# Altium PCB PCB22.PcbDoc (part 2 of 16) (continued)
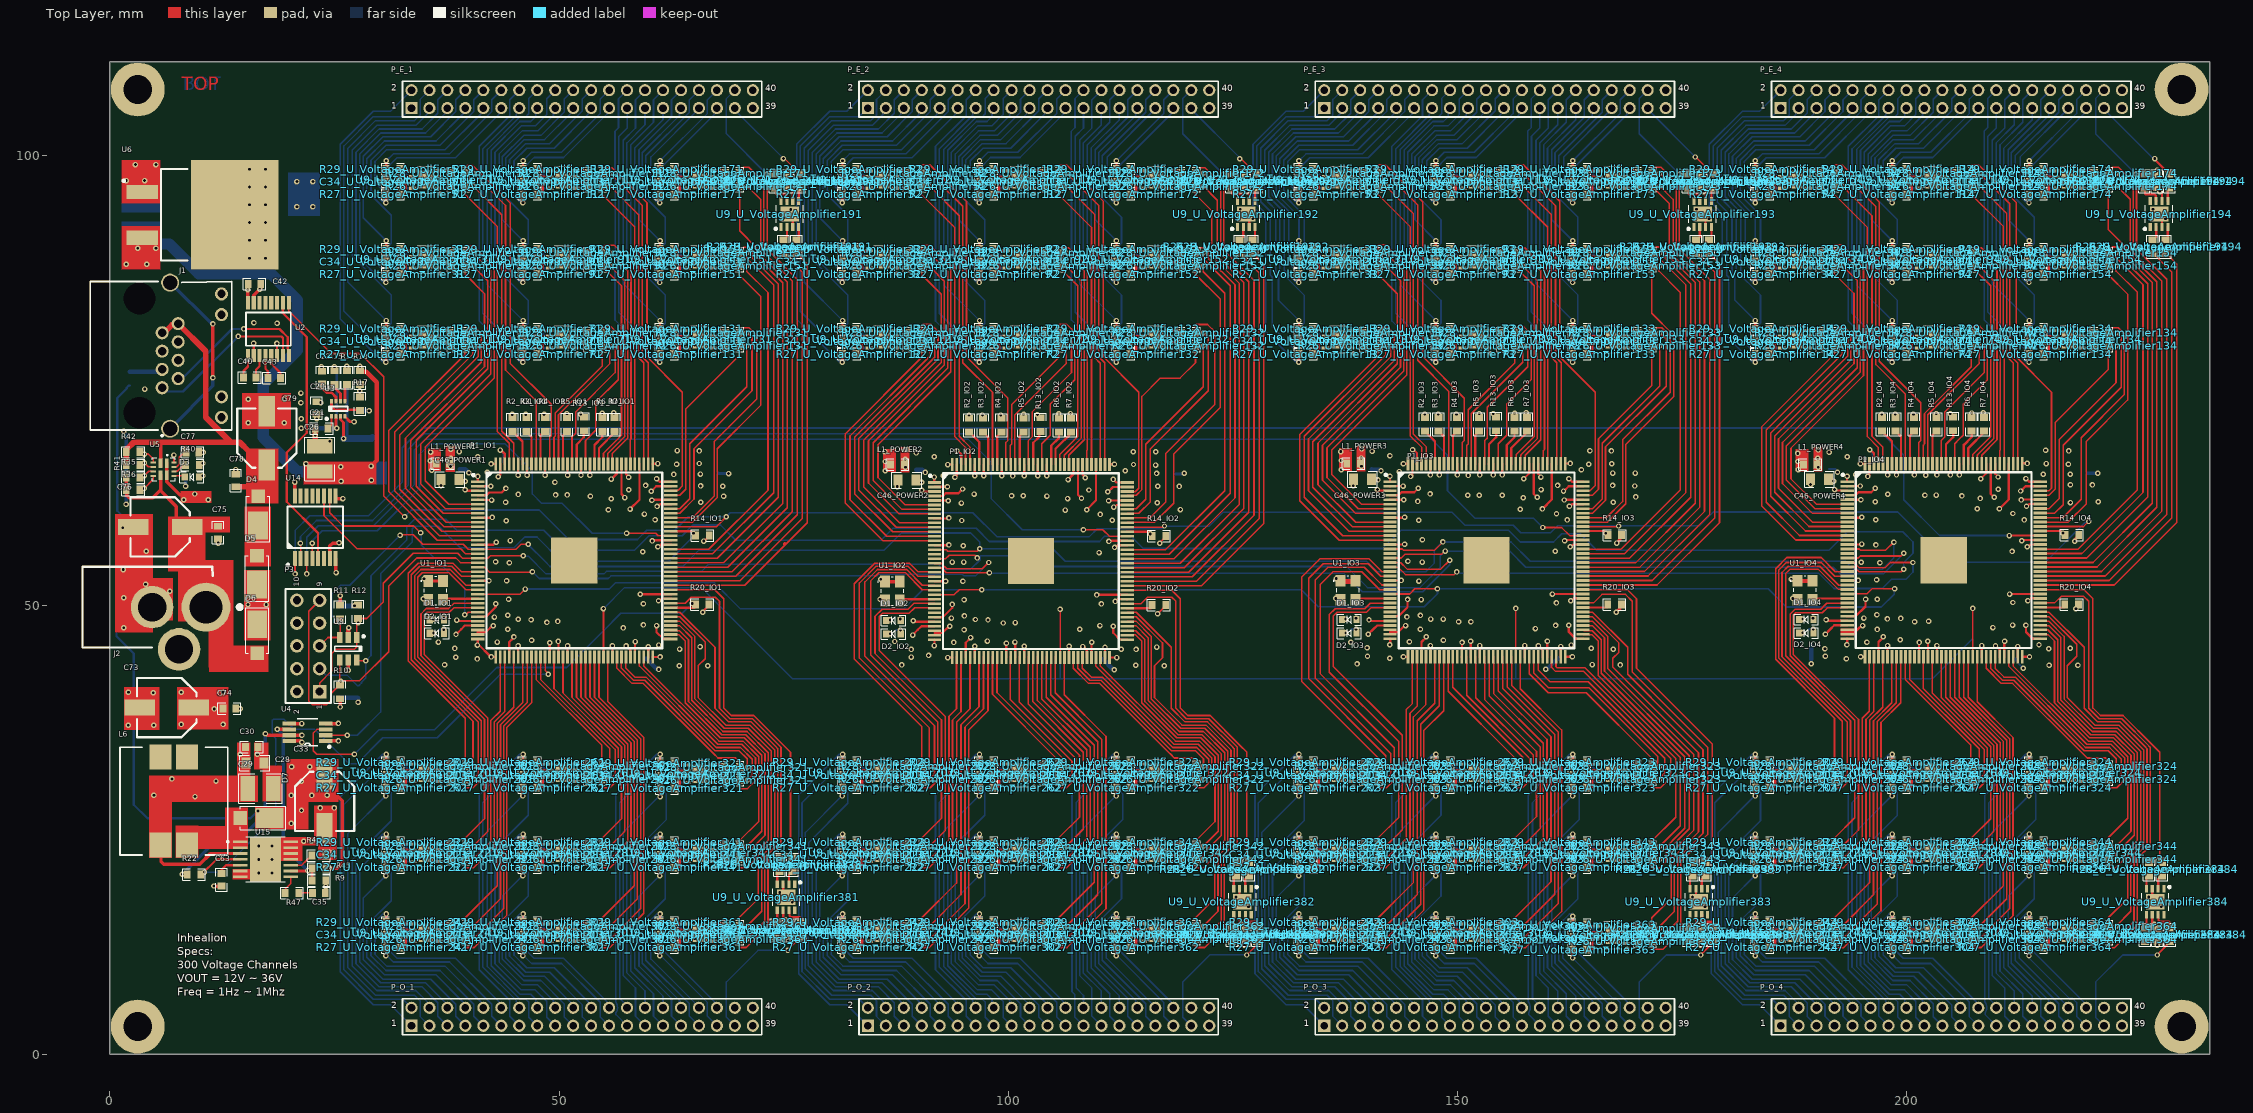
[diagram p0: Top Layer view]
## Classes and differential pairs (continued)
channel class VoltageAmplifier: U_VoltageAmplifier11 U_VoltageAmplifier12 U_VoltageAmplifier13 U_VoltageAmplifier14 U_VoltageAmplifier21 U_VoltageAmplifier22 U_VoltageAmplifier23 U_VoltageAmplifier24 U_VoltageAmplifier31 U_VoltageAmplifier32 U_VoltageAmplifier33 U_VoltageAmplifier34 U_VoltageAmplifier41 U_VoltageAmplifier42 U_VoltageAmplifier43 U_VoltageAmplifier44 U_VoltageAmplifier51 U_VoltageAmplifier52 U_VoltageAmplifier53 U_VoltageAmplifier54 U_VoltageAmplifier61 U_VoltageAmplifier62 U_VoltageAmplifier63 U_VoltageAmplifier64 U_VoltageAmplifier71 U_VoltageAmplifier72 U_VoltageAmplifier73 U_VoltageAmplifier74 U_VoltageAmplifier81 U_VoltageAmplifier82 U_VoltageAmplifier83 U_VoltageAmplifier84 U_VoltageAmplifier91 U_VoltageAmplifier92 U_VoltageAmplifier93 U_VoltageAmplifier94 U_VoltageAmplifier101 U_VoltageAmplifier102 U_VoltageAmplifier103 U_VoltageAmplifier104 U_VoltageAmplifier111 U_VoltageAmplifier112 U_VoltageAmplifier113 U_VoltageAmplifier114 U_VoltageAmplifier121 U_VoltageAmplifier122 U_VoltageAmplifier123 U_VoltageAmplifier124 U_VoltageAmplifier131 U_VoltageAmplifier132 U_VoltageAmplifier133 U_VoltageAmplifier134 U_VoltageAmplifier141 U_VoltageAmplifier142 U_VoltageAmplifier143 U_VoltageAmplifier144 U_VoltageAmplifier151 U_VoltageAmplifier152 U_VoltageAmplifier153 U_VoltageAmplifier154 U_VoltageAmplifier161 U_VoltageAmplifier162 U_VoltageAmplifier163 U_VoltageAmplifier164 U_VoltageAmplifier171 U_VoltageAmplifier172 U_VoltageAmplifier173 U_VoltageAmplifier174 U_VoltageAmplifier181 U_VoltageAmplifier182 U_VoltageAmplifier183 U_VoltageAmplifier184 U_VoltageAmplifier191 U_VoltageAmplifier192 U_VoltageAmplifier193 U_VoltageAmplifier194 U_VoltageAmplifier201 U_VoltageAmplifier202 U_VoltageAmplifier203 U_VoltageAmplifier204 U_VoltageAmplifier211 U_VoltageAmplifier212 U_VoltageAmplifier213 U_VoltageAmplifier214 U_VoltageAmplifier221 U_VoltageAmplifier222 U_VoltageAmplifier223 U_VoltageAmplifier224 U_VoltageAmplifier231 U_VoltageAmplifier232 U_VoltageAmplifier233 U_VoltageAmplifier234 U_VoltageAmplifier241 U_VoltageAmplifier242 U_VoltageAmplifier243 U_VoltageAmplifier244 U_VoltageAmplifier251 U_VoltageAmplifier252 U_VoltageAmplifier253 U_VoltageAmplifier254 U_VoltageAmplifier261 U_VoltageAmplifier262 U_VoltageAmplifier263 U_VoltageAmplifier264 U_VoltageAmplifier271 U_VoltageAmplifier272 U_VoltageAmplifier273 U_VoltageAmplifier274 U_VoltageAmplifier281 U_VoltageAmplifier282 U_VoltageAmplifier283 U_VoltageAmplifier284 U_VoltageAmplifier291 U_VoltageAmplifier292 U_VoltageAmplifier293 U_VoltageAmplifier294 U_VoltageAmplifier301 U_VoltageAmplifier302 U_VoltageAmplifier303 U_VoltageAmplifier304 U_VoltageAmplifier311 U_VoltageAmplifier312 U_VoltageAmplifier313 U_VoltageAmplifier314 U_VoltageAmplifier321 U_VoltageAmplifier322 U_VoltageAmplifier323 U_VoltageAmplifier324 U_VoltageAmplifier331 U_VoltageAmplifier332 U_VoltageAmplifier333 U_VoltageAmplifier334 U_VoltageAmplifier341 U_VoltageAmplifier342 U_VoltageAmplifier343 U_VoltageAmplifier344 U_VoltageAmplifier351 U_VoltageAmplifier352 U_VoltageAmplifier353 U_VoltageAmplifier354 U_VoltageAmplifier361 U_VoltageAmplifier362 U_VoltageAmplifier363 U_VoltageAmplifier364 U_VoltageAmplifier371 U_VoltageAmplifier372 U_VoltageAmplifier373 U_VoltageAmplifier374 U_VoltageAmplifier381 U_VoltageAmplifier382 U_VoltageAmplifier383 U_VoltageAmplifier384
channel class FPGA_POWER: POWER1 POWER2 POWER3 POWER4
channel class FPGA_IO: IO1 IO2 IO3 IO4
component class U_VoltageHeaders: P_E_1 P_E_2 P_E_3 P_E_4 P_O_1 P_O_2 P_O_3 P_O_4
component class U_POWER_VOLTAGE: C8 C14 C18 C19 C20 C21 C22 C25 C26 C27 C28 C29 C30 C31 C32 C33 C35 C63 D7 L4 L6 R9 R15 R16 R17 R18 R19 R22 R45 R46 R47 R48 R49 U3 U4 U6 U15
component class TOP_VOLTAGE: C36 C37 C38 C39 C40 C41 C42 C43 C44 J1 P3 R10 R11 R12 R23 R24 R25 R30 R31 R32 R33 R34 U2 U8 U14
component class POWER4: C2_POWER4 C3_POWER4 C4_POWER4 C5_POWER4 C6_POWER4 C7_POWER4 C9_POWER4 C10_POWER4 C11_POWER4 C12_POWER4 C13_POWER4 C15_POWER4 C16_POWER4 C17_POWER4 C23_POWER4 C24_POWER4 C45_POWER4 C46_POWER4 C47_POWER4 C48_POWER4 C49_POWER4 C51_POWER4 C52_POWER4 C53_POWER4 C54_POWER4 C55_POWER4 C56_POWER4 C57_POWER4 C58_POWER4 C59_POWER4 C60_POWER4 C61_POWER4 C62_POWER4 C64_POWER4 C65_POWER4 C66_POWER4 C67_POWER4 C68_POWER4 C69_POWER4 C70_POWER4 C71_POWER4 C72_POWER4 L1_POWER4 L3_POWER4
component class POWER3: C2_POWER3 C3_POWER3 C4_POWER3 C5_POWER3 C6_POWER3 C7_POWER3 C9_POWER3 C10_POWER3 C11_POWER3 C12_POWER3 C13_POWER3 C15_POWER3 C16_POWER3 C17_POWER3 C23_POWER3 C24_POWER3 C45_POWER3 C46_POWER3 C47_POWER3 C48_POWER3 C49_POWER3 C51_POWER3 C52_POWER3 C53_POWER3 C54_POWER3 C55_POWER3 C56_POWER3 C57_POWER3 C58_POWER3 C59_POWER3 C60_POWER3 C61_POWER3 C62_POWER3 C64_POWER3 C65_POWER3 C66_POWER3 C67_POWER3 C68_POWER3 C69_POWER3 C70_POWER3 C71_POWER3 C72_POWER3 L1_POWER3 L3_POWER3
component class POWER2: C2_POWER2 C3_POWER2 C4_POWER2 C5_POWER2 C6_POWER2 C7_POWER2 C9_POWER2 C10_POWER2 C11_POWER2 C12_POWER2 C13_POWER2 C15_POWER2 C16_POWER2 C17_POWER2 C23_POWER2 C24_POWER2 C45_POWER2 C46_POWER2 C47_POWER2 C48_POWER2 C49_POWER2 C51_POWER2 C52_POWER2 C53_POWER2 C54_POWER2 C55_POWER2 C56_POWER2 C57_POWER2 C58_POWER2 C59_POWER2 C60_POWER2 C61_POWER2 C62_POWER2 C64_POWER2 C65_POWER2 C66_POWER2 C67_POWER2 C68_POWER2 C69_POWER2 C70_POWER2 C71_POWER2 C72_POWER2 L1_POWER2 L3_POWER2
component class POWER1: C2_POWER1 C3_POWER1 C4_POWER1 C5_POWER1 C6_POWER1 C7_POWER1 C9_POWER1 C10_POWER1 C11_POWER1 C12_POWER1 C13_POWER1 C15_POWER1 C16_POWER1 C17_POWER1 C23_POWER1 C24_POWER1 C45_POWER1 C46_POWER1 C47_POWER1 C48_POWER1 C49_POWER1 C51_POWER1 C52_POWER1 C53_POWER1 C54_POWER1 C55_POWER1 C56_POWER1 C57_POWER1 C58_POWER1 C59_POWER1 C60_POWER1 C61_POWER1 C62_POWER1 C64_POWER1 C65_POWER1 C66_POWER1 C67_POWER1 C68_POWER1 C69_POWER1 C70_POWER1 C71_POWER1 C72_POWER1 L1_POWER1 L3_POWER1
component class IO4: C1_IO4 D1_IO4 D2_IO4 P1_IO4 R1_IO4 R2_IO4 R3_IO4 R4_IO4 R5_IO4 R6_IO4 R7_IO4 R8_IO4 R13_IO4 R14_IO4 R20_IO4 R21_IO4 U1_IO4
component class IO3: C1_IO3 D1_IO3 D2_IO3 P1_IO3 R1_IO3 R2_IO3 R3_IO3 R4_IO3 R5_IO3 R6_IO3 R7_IO3 R8_IO3 R13_IO3 R14_IO3 R20_IO3 R21_IO3 U1_IO3
component class IO2: C1_IO2 D1_IO2 D2_IO2 P1_IO2 R1_IO2 R2_IO2 R3_IO2 R4_IO2 R5_IO2 R6_IO2 R7_IO2 R8_IO2 R13_IO2 R14_IO2 R20_IO2 R21_IO2 U1_IO2
component class IO1: C1_IO1 D1_IO1 D2_IO1 P1_IO1 R1_IO1 R2_IO1 R3_IO1 R4_IO1 R5_IO1 R6_IO1 R7_IO1 R8_IO1 R13_IO1 R14_IO1 R20_IO1 R21_IO1 U1_IO1

## Components (designator, comment, footprint, x,y, rotation, side; value= is the part's Value field where it differs from the comment)
C1_IO1 "0.1uF/16V" 0603C 34.835,51.812 r90 bottom (schematic designator C1)
C1_IO2 "0.1uF/16V" 0603C 85.663,51.746 r90 bottom (schematic designator C1)
C1_IO3 "0.1uF/16V" 0603C 136.384,51.834 r90 bottom (schematic designator C1)
C1_IO4 "0.1uF/16V" 0603C 187.26,51.838 r90 bottom (schematic designator C1)
C2_POWER1 "0.01uF/16V" 0603C 38.213,65.133 r0 bottom (schematic designator C2)
C2_POWER2 "0.01uF/16V" 0603C 89.041,65.067 r0 bottom (schematic designator C2)
C2_POWER3 "0.01uF/16V" 0603C 139.762,65.155 r0 bottom (schematic designator C2)
C2_POWER4 "0.01uF/16V" 0603C 190.639,65.158 r0 bottom (schematic designator C2)
C3_POWER1 "0.01uF/16V" 0603C 57.771,64.03 r270 bottom (schematic designator C3)
C3_POWER2 "0.01uF/16V" 0603C 108.599,63.964 r270 bottom (schematic designator C3)
C3_POWER3 "0.01uF/16V" 0603C 159.32,64.051 r270 bottom (schematic designator C3)
C3_POWER4 "0.01uF/16V" 0603C 210.197,64.055 r270 bottom (schematic designator C3)
C4_POWER1 "0.1uF/16V" 0603C 64.274,67.165 r0 bottom (schematic designator C4)
C4_POWER2 "0.1uF/16V" 0603C 115.102,67.099 r0 bottom (schematic designator C4)
C4_POWER3 "0.1uF/16V" 0603C 165.823,67.187 r0 bottom (schematic designator C4)
C4_POWER4 "0.1uF/16V" 0603C 216.699,67.19 r0 bottom (schematic designator C4)
C5_POWER1 "0.1uF/16V" 0603C 38.213,66.53 r0 bottom (schematic designator C5)
C5_POWER2 "0.1uF/16V" 0603C 89.041,66.464 r0 bottom (schematic designator C5)
C5_POWER3 "0.1uF/16V" 0603C 139.762,66.552 r0 bottom (schematic designator C5)
C5_POWER4 "0.1uF/16V" 0603C 190.639,66.555 r0 bottom (schematic designator C5)
C6_POWER1 "0.1uF/16V" 0603C 41.642,66.022 r180 bottom (schematic designator C6)
C6_POWER2 "0.1uF/16V" 0603C 92.47,65.956 r180 bottom (schematic designator C6)
C6_POWER3 "0.1uF/16V" 0603C 143.191,66.044 r180 bottom (schematic designator C6)
C6_POWER4 "0.1uF/16V" 0603C 194.068,66.047 r180 bottom (schematic designator C6)
C7_POWER1 "0.47uF/16V" 0603C 64.604,45.143 r180 bottom (schematic designator C7)
C7_POWER2 "0.47uF/16V" 0603C 115.432,45.077 r180 bottom (schematic designator C7)
C7_POWER3 "0.47uF/16V" 0603C 166.153,45.165 r180 bottom (schematic designator C7)
C7_POWER4 "0.47uF/16V" 0603C 217.029,45.169 r180 bottom (schematic designator C7)
C8 "22uF/25V" 1210C 3.342,93.202 r270 bottom
C9_POWER1 "0.1uF/16V" 0603C 43.797,65.201 r90 bottom (schematic designator C9)
C9_POWER2 "0.1uF/16V" 0603C 94.625,65.135 r90 bottom (schematic designator C9)
C9_POWER3 "0.1uF/16V" 0603C 145.346,65.223 r90 bottom (schematic designator C9)
C9_POWER4 "0.1uF/16V" 0603C 196.222,65.226 r90 bottom (schematic designator C9)
C10_POWER1 "10uF/25V" 0805C 64.985,43.289 r0 bottom (schematic designator C10)
C10_POWER2 "10uF/25V" 0805C 115.813,43.223 r0 bottom (schematic designator C10)
C10_POWER3 "10uF/25V" 0805C 166.534,43.311 r0 bottom (schematic designator C10)
C10_POWER4 "10uF/25V" 0805C 217.41,43.314 r0 bottom (schematic designator C10)
C11_POWER1 "22uF/10V" 0603C 64.274,65.692 r180 bottom (schematic designator C11)
C11_POWER2 "22uF/10V" 0603C 115.102,65.626 r180 bottom (schematic designator C11)
C11_POWER3 "22uF/10V" 0603C 165.823,65.713 r180 bottom (schematic designator C11)
C11_POWER4 "22uF/10V" 0603C 216.699,65.717 r180 bottom (schematic designator C11)
C12_POWER1 "0.1uF/16V" 0603C 41.617,64.447 r0 bottom (schematic designator C12)
C12_POWER2 "0.1uF/16V" 0603C 92.445,64.381 r0 bottom (schematic designator C12)
C12_POWER3 "0.1uF/16V" 0603C 143.166,64.469 r0 bottom (schematic designator C12)
C12_POWER4 "0.1uF/16V" 0603C 194.042,64.473 r0 bottom (schematic designator C12)
C13_POWER1 "0.1uF/16V" 0603C 40.906,45.169 r270 bottom (schematic designator C13)
C13_POWER2 "0.1uF/16V" 0603C 91.734,45.103 r270 bottom (schematic designator C13)
C13_POWER3 "0.1uF/16V" 0603C 142.455,45.19 r270 bottom (schematic designator C13)
C13_POWER4 "0.1uF/16V" 0603C 193.331,45.194 r270 bottom (schematic designator C13)
C14 "22uF/25V" 1210C 19.42,95.634 r180 bottom
C15_POWER1 "0.1uF/16V" 0603C 61.251,60.18 r270 bottom (schematic designator C15)
C15_POWER2 "0.1uF/16V" 0603C 112.079,60.114 r270 bottom (schematic designator C15)
C15_POWER3 "0.1uF/16V" 0603C 162.8,60.202 r270 bottom (schematic designator C15)
C15_POWER4 "0.1uF/16V" 0603C 213.676,60.205 r270 bottom (schematic designator C15)
C16_POWER1 "0.1uF/16V" 0603C 43.166,50.68 r0 bottom (schematic designator C16)
C16_POWER2 "0.1uF/16V" 0603C 93.994,50.614 r0 bottom (schematic designator C16)
C16_POWER3 "0.1uF/16V" 0603C 144.715,50.702 r0 bottom (schematic designator C16)
C16_POWER4 "0.1uF/16V" 0603C 195.592,50.706 r0 bottom (schematic designator C16)
C17_POWER1 "0.1uF/16V" 0603C 42.582,45.194 r90 bottom (schematic designator C17)
C17_POWER2 "0.1uF/16V" 0603C 93.41,45.128 r90 bottom (schematic designator C17)
C17_POWER3 "0.1uF/16V" 0603C 144.131,45.216 r90 bottom (schematic designator C17)
C17_POWER4 "0.1uF/16V" 0603C 195.007,45.219 r90 bottom (schematic designator C17)
C18 "1uF/16V" 0603C 26.397,75.336 r90 bottom
C19 "22uF/25V" 1210C 22.338,71.658 r270 bottom
C20 "0.1uF/50V" 0603C 22.986,71.953 r270 top
C21 "1nF/63V" 0603C 23.559,69.677 r0 top
C22 "6.8nF/50V" 0603C 23.591,75.336 r270 top
C23_POWER1 "0.1uF/16V" 0603C 49.948,46.972 r90 bottom (schematic designator C23)
C23_POWER2 "0.1uF/16V" 0603C 100.776,46.906 r90 bottom (schematic designator C23)
C23_POWER3 "0.1uF/16V" 0603C 151.497,46.994 r90 bottom (schematic designator C23)
C23_POWER4 "0.1uF/16V" 0603C 202.373,46.997 r90 bottom (schematic designator C23)
C24_POWER1 "0.1uF/16V" 0603C 61.683,44.875 r90 bottom (schematic designator C24)
C24_POWER2 "0.1uF/16V" 0603C 112.511,44.809 r90 bottom (schematic designator C24)
C24_POWER3 "0.1uF/16V" 0603C 163.232,44.897 r90 bottom (schematic designator C24)
C24_POWER4 "0.1uF/16V" 0603C 214.108,44.9 r90 bottom (schematic designator C24)
C25 "10pF/50V" 0603C 27.817,75.329 r270 bottom
C26 "22uF/25V" 1210C 23.357,66.276 r270 top
C27 "22uF/25V" 1210C 23.357,66.276 r270 bottom
C28 "10uF/25V" 0805C 16.123,32.436 r180 top
C29 "22uF/25V" 1210C 16.758,29.591 r180 top
C30 "0.1uF/50V" 0603C 15.782,34.214 r180 top
C31 "0.1uF/50V" 0603C 24.632,28.041 r90 bottom
C32 "2.2uF/50V" 0603C 23.037,28.041 r90 bottom
C33 "10uF/63V" EEE-FN1J100L 23.895,28.168 r270 top
C34_U_VoltageAmplifier11 "0.1uF/50V" 0603C 31.498,79.354 r180 top (schematic designator C34)
C34_U_VoltageAmplifier12 "0.1uF/50V" 0603C 82.298,79.354 r180 top (schematic designator C34)
C34_U_VoltageAmplifier13 "0.1uF/50V" 0603C 133.098,79.354 r180 top (schematic designator C34)
C34_U_VoltageAmplifier14 "0.1uF/50V" 0603C 183.898,79.354 r180 top (schematic designator C34)
C34_U_VoltageAmplifier21 "0.1uF/50V" 0603C 31.498,79.354 r180 bottom (schematic designator C34)
C34_U_VoltageAmplifier22 "0.1uF/50V" 0603C 82.298,79.354 r180 bottom (schematic designator C34)
C34_U_VoltageAmplifier23 "0.1uF/50V" 0603C 133.098,79.354 r180 bottom (schematic designator C34)
C34_U_VoltageAmplifier24 "0.1uF/50V" 0603C 183.898,79.354 r180 bottom (schematic designator C34)
C34_U_VoltageAmplifier31 "0.1uF/50V" 0603C 31.498,88.244 r180 top (schematic designator C34)
C34_U_VoltageAmplifier32 "0.1uF/50V" 0603C 82.298,88.244 r180 top (schematic designator C34)
C34_U_VoltageAmplifier33 "0.1uF/50V" 0603C 133.098,88.244 r180 top (schematic designator C34)
C34_U_VoltageAmplifier34 "0.1uF/50V" 0603C 183.898,88.244 r180 top (schematic designator C34)
C34_U_VoltageAmplifier41 "0.1uF/50V" 0603C 31.498,88.244 r180 bottom (schematic designator C34)
C34_U_VoltageAmplifier42 "0.1uF/50V" 0603C 82.298,88.244 r180 bottom (schematic designator C34)
C34_U_VoltageAmplifier43 "0.1uF/50V" 0603C 133.098,88.244 r180 bottom (schematic designator C34)
C34_U_VoltageAmplifier44 "0.1uF/50V" 0603C 183.898,88.244 r180 bottom (schematic designator C34)
C34_U_VoltageAmplifier51 "0.1uF/50V" 0603C 31.498,97.134 r180 top (schematic designator C34)
C34_U_VoltageAmplifier52 "0.1uF/50V" 0603C 82.298,97.134 r180 top (schematic designator C34)
C34_U_VoltageAmplifier53 "0.1uF/50V" 0603C 133.098,97.134 r180 top (schematic designator C34)
C34_U_VoltageAmplifier54 "0.1uF/50V" 0603C 183.898,97.134 r180 top (schematic designator C34)
C34_U_VoltageAmplifier61 "0.1uF/50V" 0603C 31.498,97.134 r180 bottom (schematic designator C34)
C34_U_VoltageAmplifier62 "0.1uF/50V" 0603C 82.298,97.134 r180 bottom (schematic designator C34)
C34_U_VoltageAmplifier63 "0.1uF/50V" 0603C 133.098,97.134 r180 bottom (schematic designator C34)
C34_U_VoltageAmplifier64 "0.1uF/50V" 0603C 183.898,97.134 r180 bottom (schematic designator C34)
C34_U_VoltageAmplifier71 "0.1uF/50V" 0603C 46.738,79.354 r180 top (schematic designator C34)
C34_U_VoltageAmplifier72 "0.1uF/50V" 0603C 97.538,79.354 r180 top (schematic designator C34)
C34_U_VoltageAmplifier73 "0.1uF/50V" 0603C 148.338,79.354 r180 top (schematic designator C34)
C34_U_VoltageAmplifier74 "0.1uF/50V" 0603C 199.138,79.354 r180 top (schematic designator C34)
C34_U_VoltageAmplifier81 "0.1uF/50V" 0603C 46.738,79.354 r180 bottom (schematic designator C34)
C34_U_VoltageAmplifier82 "0.1uF/50V" 0603C 97.538,79.354 r180 bottom (schematic designator C34)
C34_U_VoltageAmplifier83 "0.1uF/50V" 0603C 148.338,79.354 r180 bottom (schematic designator C34)
C34_U_VoltageAmplifier84 "0.1uF/50V" 0603C 199.138,79.354 r180 bottom (schematic designator C34)
C34_U_VoltageAmplifier91 "0.1uF/50V" 0603C 46.738,88.244 r180 top (schematic designator C34)
C34_U_VoltageAmplifier92 "0.1uF/50V" 0603C 97.538,88.244 r180 top (schematic designator C34)
C34_U_VoltageAmplifier93 "0.1uF/50V" 0603C 148.338,88.244 r180 top (schematic designator C34)
C34_U_VoltageAmplifier94 "0.1uF/50V" 0603C 199.138,88.244 r180 top (schematic designator C34)
C34_U_VoltageAmplifier101 "0.1uF/50V" 0603C 46.738,88.244 r180 bottom (schematic designator C34)
C34_U_VoltageAmplifier102 "0.1uF/50V" 0603C 97.538,88.244 r180 bottom (schematic designator C34)
C34_U_VoltageAmplifier103 "0.1uF/50V" 0603C 148.338,88.244 r180 bottom (schematic designator C34)
C34_U_VoltageAmplifier104 "0.1uF/50V" 0603C 199.138,88.244 r180 bottom (schematic designator C34)
C34_U_VoltageAmplifier111 "0.1uF/50V" 0603C 46.738,97.134 r180 top (schematic designator C34)
C34_U_VoltageAmplifier112 "0.1uF/50V" 0603C 97.538,97.134 r180 top (schematic designator C34)
C34_U_VoltageAmplifier113 "0.1uF/50V" 0603C 148.338,97.134 r180 top (schematic designator C34)
C34_U_VoltageAmplifier114 "0.1uF/50V" 0603C 199.138,97.134 r180 top (schematic designator C34)
C34_U_VoltageAmplifier121 "0.1uF/50V" 0603C 46.738,97.134 r180 bottom (schematic designator C34)
C34_U_VoltageAmplifier122 "0.1uF/50V" 0603C 97.538,97.134 r180 bottom (schematic designator C34)
C34_U_VoltageAmplifier123 "0.1uF/50V" 0603C 148.338,97.134 r180 bottom (schematic designator C34)
C34_U_VoltageAmplifier124 "0.1uF/50V" 0603C 199.138,97.134 r180 bottom (schematic designator C34)
C34_U_VoltageAmplifier131 "0.1uF/50V" 0603C 61.978,79.354 r180 top (schematic designator C34)
C34_U_VoltageAmplifier132 "0.1uF/50V" 0603C 112.778,79.354 r180 top (schematic designator C34)
C34_U_VoltageAmplifier133 "0.1uF/50V" 0603C 163.578,79.354 r180 top (schematic designator C34)
C34_U_VoltageAmplifier134 "0.1uF/50V" 0603C 214.378,79.354 r180 top (schematic designator C34)
C34_U_VoltageAmplifier141 "0.1uF/50V" 0603C 61.978,79.354 r180 bottom (schematic designator C34)
C34_U_VoltageAmplifier142 "0.1uF/50V" 0603C 112.778,79.354 r180 bottom (schematic designator C34)
C34_U_VoltageAmplifier143 "0.1uF/50V" 0603C 163.578,79.354 r180 bottom (schematic designator C34)
C34_U_VoltageAmplifier144 "0.1uF/50V" 0603C 214.378,79.354 r180 bottom (schematic designator C34)
C34_U_VoltageAmplifier151 "0.1uF/50V" 0603C 61.978,88.244 r180 top (schematic designator C34)
C34_U_VoltageAmplifier152 "0.1uF/50V" 0603C 112.778,88.244 r180 top (schematic designator C34)
C34_U_VoltageAmplifier153 "0.1uF/50V" 0603C 163.578,88.244 r180 top (schematic designator C34)
C34_U_VoltageAmplifier154 "0.1uF/50V" 0603C 214.378,88.244 r180 top (schematic designator C34)
C34_U_VoltageAmplifier161 "0.1uF/50V" 0603C 61.978,88.244 r180 bottom (schematic designator C34)
C34_U_VoltageAmplifier162 "0.1uF/50V" 0603C 112.778,88.244 r180 bottom (schematic designator C34)
C34_U_VoltageAmplifier163 "0.1uF/50V" 0603C 163.578,88.244 r180 bottom (schematic designator C34)
C34_U_VoltageAmplifier164 "0.1uF/50V" 0603C 214.378,88.244 r180 bottom (schematic designator C34)
C34_U_VoltageAmplifier171 "0.1uF/50V" 0603C 61.978,97.134 r180 top (schematic designator C34)
C34_U_VoltageAmplifier172 "0.1uF/50V" 0603C 112.778,97.134 r180 top (schematic designator C34)
C34_U_VoltageAmplifier173 "0.1uF/50V" 0603C 163.578,97.134 r180 top (schematic designator C34)
C34_U_VoltageAmplifier174 "0.1uF/50V" 0603C 214.378,97.134 r180 top (schematic designator C34)
C34_U_VoltageAmplifier181 "0.1uF/50V" 0603C 61.978,97.134 r180 bottom (schematic designator C34)
C34_U_VoltageAmplifier182 "0.1uF/50V" 0603C 112.778,97.134 r180 bottom (schematic designator C34)
C34_U_VoltageAmplifier183 "0.1uF/50V" 0603C 163.578,97.134 r180 bottom (schematic designator C34)
C34_U_VoltageAmplifier184 "0.1uF/50V" 0603C 214.378,97.134 r180 bottom (schematic designator C34)
C34_U_VoltageAmplifier191 "0.1uF/50V" 0603C 75.434,97.2 r90 top (schematic designator C34)
C34_U_VoltageAmplifier192 "0.1uF/50V" 0603C 126.234,97.2 r90 top (schematic designator C34)
C34_U_VoltageAmplifier193 "0.1uF/50V" 0603C 177.034,97.2 r90 top (schematic designator C34)
C34_U_VoltageAmplifier194 "0.1uF/50V" 0603C 227.834,97.2 r90 top (schematic designator C34)
C34_U_VoltageAmplifier201 "0.1uF/50V" 0603C 31.498,31.094 r180 top (schematic designator C34)
C34_U_VoltageAmplifier202 "0.1uF/50V" 0603C 82.298,31.094 r180 top (schematic designator C34)
C34_U_VoltageAmplifier203 "0.1uF/50V" 0603C 133.098,31.094 r180 top (schematic designator C34)
C34_U_VoltageAmplifier204 "0.1uF/50V" 0603C 183.898,31.094 r180 top (schematic designator C34)
C34_U_VoltageAmplifier211 "0.1uF/50V" 0603C 31.498,31.094 r180 bottom (schematic designator C34)
C34_U_VoltageAmplifier212 "0.1uF/50V" 0603C 82.298,31.094 r180 bottom (schematic designator C34)
C34_U_VoltageAmplifier213 "0.1uF/50V" 0603C 133.098,31.094 r180 bottom (schematic designator C34)
C34_U_VoltageAmplifier214 "0.1uF/50V" 0603C 183.898,31.094 r180 bottom (schematic designator C34)
C34_U_VoltageAmplifier221 "0.1uF/50V" 0603C 31.498,22.204 r180 top (schematic designator C34)
C34_U_VoltageAmplifier222 "0.1uF/50V" 0603C 82.298,22.204 r180 top (schematic designator C34)
C34_U_VoltageAmplifier223 "0.1uF/50V" 0603C 133.098,22.204 r180 top (schematic designator C34)
C34_U_VoltageAmplifier224 "0.1uF/50V" 0603C 183.898,22.204 r180 top (schematic designator C34)
C34_U_VoltageAmplifier231 "0.1uF/50V" 0603C 31.498,22.204 r180 bottom (schematic designator C34)
C34_U_VoltageAmplifier232 "0.1uF/50V" 0603C 82.298,22.204 r180 bottom (schematic designator C34)
C34_U_VoltageAmplifier233 "0.1uF/50V" 0603C 133.098,22.204 r180 bottom (schematic designator C34)
C34_U_VoltageAmplifier234 "0.1uF/50V" 0603C 183.898,22.204 r180 bottom (schematic designator C34)
C34_U_VoltageAmplifier241 "0.1uF/50V" 0603C 31.498,13.314 r180 top (schematic designator C34)
C34_U_VoltageAmplifier242 "0.1uF/50V" 0603C 82.298,13.314 r180 top (schematic designator C34)
C34_U_VoltageAmplifier243 "0.1uF/50V" 0603C 133.098,13.314 r180 top (schematic designator C34)
C34_U_VoltageAmplifier244 "0.1uF/50V" 0603C 183.898,13.314 r180 top (schematic designator C34)
C34_U_VoltageAmplifier251 "0.1uF/50V" 0603C 31.498,13.314 r180 bottom (schematic designator C34)
C34_U_VoltageAmplifier252 "0.1uF/50V" 0603C 82.298,13.314 r180 bottom (schematic designator C34)
C34_U_VoltageAmplifier253 "0.1uF/50V" 0603C 133.098,13.314 r180 bottom (schematic designator C34)
C34_U_VoltageAmplifier254 "0.1uF/50V" 0603C 183.898,13.314 r180 bottom (schematic designator C34)
C34_U_VoltageAmplifier261 "0.1uF/50V" 0603C 46.738,31.094 r180 top (schematic designator C34)
C34_U_VoltageAmplifier262 "0.1uF/50V" 0603C 97.538,31.094 r180 top (schematic designator C34)
C34_U_VoltageAmplifier263 "0.1uF/50V" 0603C 148.338,31.094 r180 top (schematic designator C34)
C34_U_VoltageAmplifier264 "0.1uF/50V" 0603C 199.138,31.094 r180 top (schematic designator C34)
C34_U_VoltageAmplifier271 "0.1uF/50V" 0603C 46.738,31.094 r180 bottom (schematic designator C34)
C34_U_VoltageAmplifier272 "0.1uF/50V" 0603C 97.538,31.094 r180 bottom (schematic designator C34)
C34_U_VoltageAmplifier273 "0.1uF/50V" 0603C 148.338,31.094 r180 bottom (schematic designator C34)
C34_U_VoltageAmplifier274 "0.1uF/50V" 0603C 199.138,31.094 r180 bottom (schematic designator C34)
C34_U_VoltageAmplifier281 "0.1uF/50V" 0603C 46.738,22.204 r180 top (schematic designator C34)
C34_U_VoltageAmplifier282 "0.1uF/50V" 0603C 97.538,22.204 r180 top (schematic designator C34)
C34_U_VoltageAmplifier283 "0.1uF/50V" 0603C 148.338,22.204 r180 top (schematic designator C34)
C34_U_VoltageAmplifier284 "0.1uF/50V" 0603C 199.138,22.204 r180 top (schematic designator C34)
C34_U_VoltageAmplifier291 "0.1uF/50V" 0603C 46.738,22.204 r180 bottom (schematic designator C34)
C34_U_VoltageAmplifier292 "0.1uF/50V" 0603C 97.538,22.204 r180 bottom (schematic designator C34)
C34_U_VoltageAmplifier293 "0.1uF/50V" 0603C 148.338,22.204 r180 bottom (schematic designator C34)
C34_U_VoltageAmplifier294 "0.1uF/50V" 0603C 199.138,22.204 r180 bottom (schematic designator C34)
C34_U_VoltageAmplifier301 "0.1uF/50V" 0603C 46.738,13.314 r180 top (schematic designator C34)
C34_U_VoltageAmplifier302 "0.1uF/50V" 0603C 97.538,13.314 r180 top (schematic designator C34)
C34_U_VoltageAmplifier303 "0.1uF/50V" 0603C 148.338,13.314 r180 top (schematic designator C34)
C34_U_VoltageAmplifier304 "0.1uF/50V" 0603C 199.138,13.314 r180 top (schematic designator C34)
C34_U_VoltageAmplifier311 "0.1uF/50V" 0603C 46.738,13.314 r180 bottom (schematic designator C34)
C34_U_VoltageAmplifier312 "0.1uF/50V" 0603C 97.538,13.314 r180 bottom (schematic designator C34)
C34_U_VoltageAmplifier313 "0.1uF/50V" 0603C 148.338,13.314 r180 bottom (schematic designator C34)
C34_U_VoltageAmplifier314 "0.1uF/50V" 0603C 199.138,13.314 r180 bottom (schematic designator C34)
C34_U_VoltageAmplifier321 "0.1uF/50V" 0603C 62.008,31.003 r180 top (schematic designator C34)
C34_U_VoltageAmplifier322 "0.1uF/50V" 0603C 112.778,31.094 r180 top (schematic designator C34)
C34_U_VoltageAmplifier323 "0.1uF/50V" 0603C 163.578,31.094 r180 top (schematic designator C34)
C34_U_VoltageAmplifier324 "0.1uF/50V" 0603C 214.378,31.094 r180 top (schematic designator C34)
C34_U_VoltageAmplifier331 "0.1uF/50V" 0603C 62.008,31.003 r180 bottom (schematic designator C34)
C34_U_VoltageAmplifier332 "0.1uF/50V" 0603C 112.778,31.094 r180 bottom (schematic designator C34)
C34_U_VoltageAmplifier333 "0.1uF/50V" 0603C 163.578,31.094 r180 bottom (schematic designator C34)
C34_U_VoltageAmplifier334 "0.1uF/50V" 0603C 214.378,31.094 r180 bottom (schematic designator C34)
C34_U_VoltageAmplifier341 "0.1uF/50V" 0603C 61.978,22.204 r180 top (schematic designator C34)
C34_U_VoltageAmplifier342 "0.1uF/50V" 0603C 112.778,22.204 r180 top (schematic designator C34)
C34_U_VoltageAmplifier343 "0.1uF/50V" 0603C 163.578,22.204 r180 top (schematic designator C34)
C34_U_VoltageAmplifier344 "0.1uF/50V" 0603C 214.378,22.204 r180 top (schematic designator C34)
C34_U_VoltageAmplifier351 "0.1uF/50V" 0603C 61.978,22.204 r180 bottom (schematic designator C34)
C34_U_VoltageAmplifier352 "0.1uF/50V" 0603C 112.778,22.204 r180 bottom (schematic designator C34)
C34_U_VoltageAmplifier353 "0.1uF/50V" 0603C 163.578,22.204 r180 bottom (schematic designator C34)
C34_U_VoltageAmplifier354 "0.1uF/50V" 0603C 214.378,22.204 r180 bottom (schematic designator C34)
C34_U_VoltageAmplifier361 "0.1uF/50V" 0603C 61.978,13.314 r180 top (schematic designator C34)
C34_U_VoltageAmplifier362 "0.1uF/50V" 0603C 112.778,13.314 r180 top (schematic designator C34)
C34_U_VoltageAmplifier363 "0.1uF/50V" 0603C 163.578,13.06 r180 top (schematic designator C34)
C34_U_VoltageAmplifier364 "0.1uF/50V" 0603C 214.378,13.314 r180 top (schematic designator C34)
C34_U_VoltageAmplifier371 "0.1uF/50V" 0603C 61.978,13.314 r180 bottom (schematic designator C34)
C34_U_VoltageAmplifier372 "0.1uF/50V" 0603C 112.778,13.314 r180 bottom (schematic designator C34)
C34_U_VoltageAmplifier373 "0.1uF/50V" 0603C 163.578,13.06 r180 bottom (schematic designator C34)
C34_U_VoltageAmplifier374 "0.1uF/50V" 0603C 214.378,13.314 r180 bottom (schematic designator C34)
C34_U_VoltageAmplifier381 "0.1uF/50V" 0603C 75.506,13.828 r270 top (schematic designator C34)
C34_U_VoltageAmplifier382 "0.1uF/50V" 0603C 126.306,13.32 r270 top (schematic designator C34)
C34_U_VoltageAmplifier383 "0.1uF/50V" 0603C 177.106,13.32 r270 top (schematic designator C34)
C34_U_VoltageAmplifier384 "0.1uF/50V" 0603C 227.906,13.32 r270 top (schematic designator C34)
C35 "0.047uF/50V" 0603C 23.26,17.958 r180 top
C36 "10pF/50V" 0603C 27.611,49.235 r270 bottom
C37 "10pF/50V" 0603C 27.637,40.348 r90 bottom